# Altium PCB SmartHaloFF.PcbDoc (part 1 of 4) (continued)
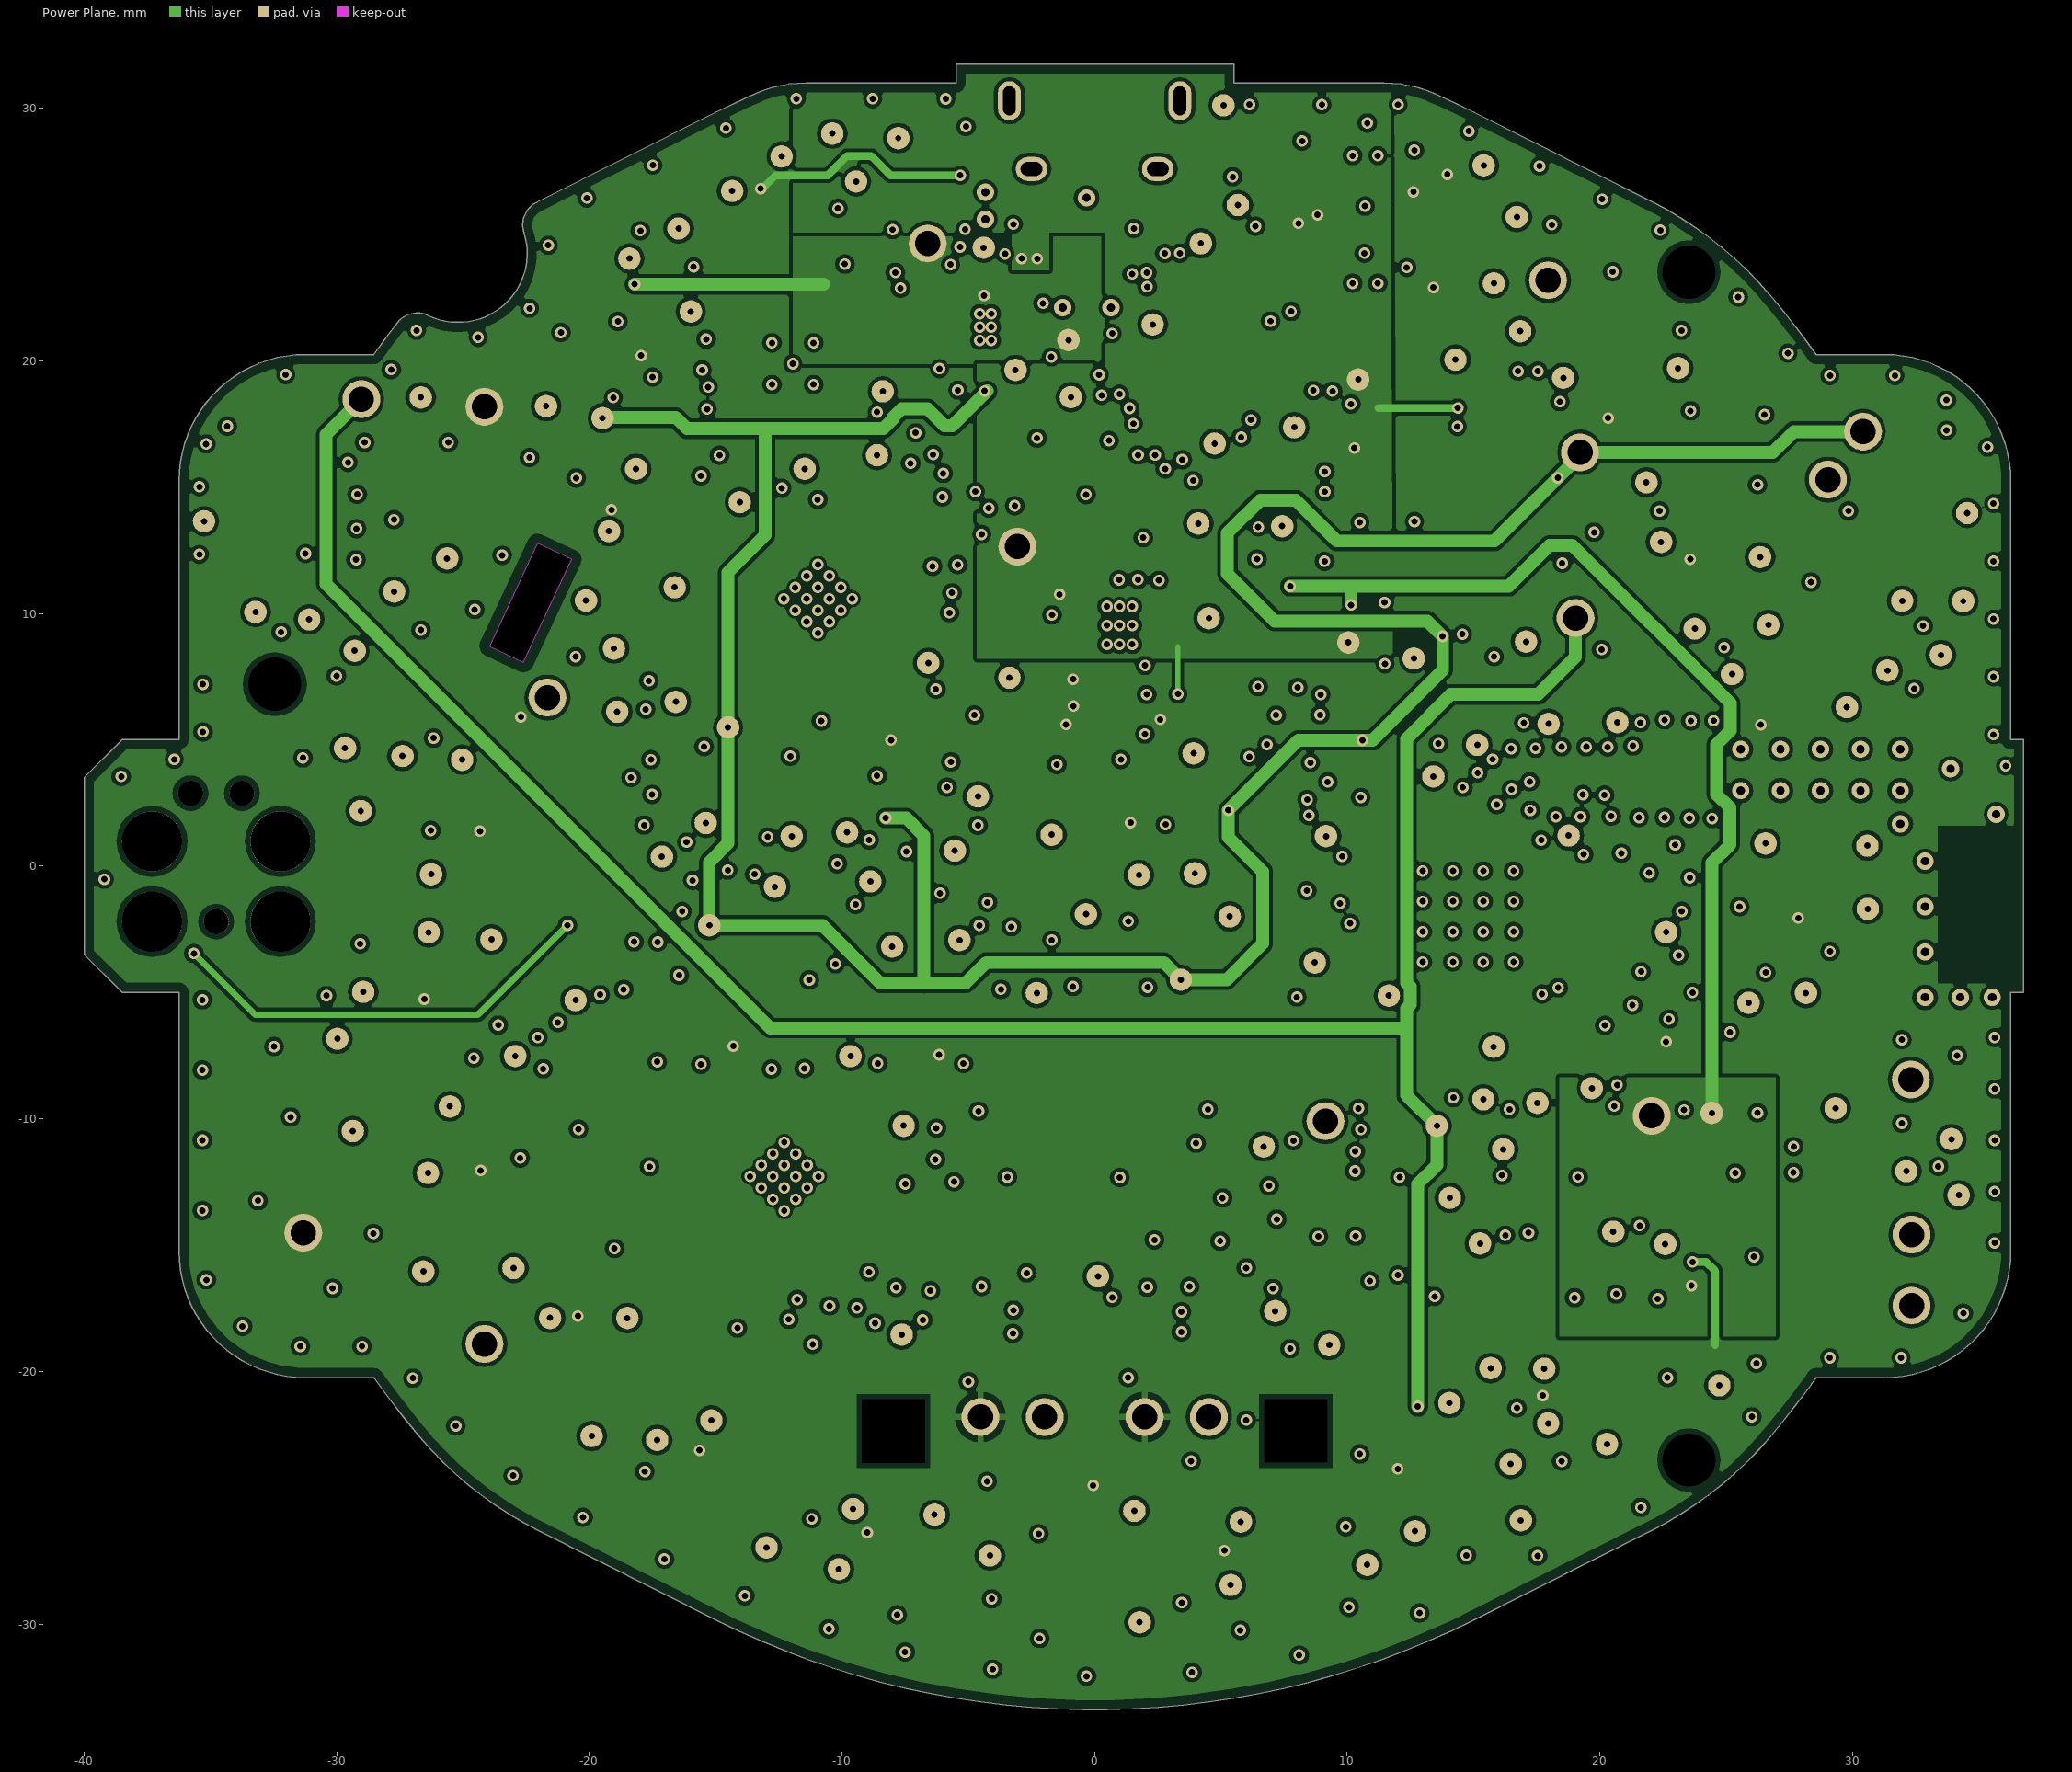
[diagram p3: Power Plane]

## Layer stack, top to bottom
Top Solder: solder mask 0.0254, Solder Resist, Dk 4.8
Top Layer: signal copper 0.0351
Prepreg Top: prepreg 0.173, 2116+1080, Dk 4.8
Ground Plane: signal copper 0.0351
PCB Core: core 1.03, S1000-2, Dk 4.8
Power Plane: signal copper 0.0351
Prepreg Bottom: prepreg 0.173, 2116+1080, Dk 4.8
Bottom Layer: signal copper 0.0351
Bottom Solder: solder mask 0.0254, Solder Resist, Dk 4.8

## Board outline
-38.495,-4.995 -36.236,-4.995 -36.236,-15.245 ccw(c-31.236,-15.245) -31.236,-20.245 -28.534,-20.245 ccw(c0.014,0.005) -26.703,-22.605 ccw(c-15.253,-12.915) -21.99,-26.317 -14.986,-29.837 -14.987,-29.837 ccw(c0.013,0.005) 15.013,-29.837 15.014,-29.837 22.017,-26.317 22.016,-26.317 ccw(c15.28,-12.915) 26.73,-22.605 26.731,-22.605 ccw(c0.014,0.005) 28.199,-20.745 ccw(c0.014,0.005) 28.561,-20.245 31.255,-20.245 31.255,-20.246 ccw(c31.255,-15.237) 36.264,-15.237 36.264,-4.995 36.772,-4.995 36.772,5.005 36.264,5.005 36.264,15.255 36.263,15.255 ccw(c31.263,15.255) 31.263,20.255 28.561,20.255 ccw(c0.014,0.005) 26.731,22.615 26.73,22.615 ccw(c15.28,12.925) 22.016,26.327 22.017,26.327 15.014,29.847 ccw(c0.014,0.005) 13.452,30.583 ccw(c11.44,26.005) 11.44,31.005 5.514,31.005 5.514,31.755 -5.486,31.755 -5.486,31.005 -11.413,31.005 -11.414,31.005 ccw(c-11.414,26.005) -13.425,30.583 -13.424,30.583 ccw(c0.014,0.005) -14.986,29.847 -22.085,26.279 ccw(c-21.636,25.386) -22.589,25.082 -22.59,25.082 cw(c-25.187,24.255) -26.374,21.801 ccw(c-26.809,20.9) -27.598,21.515 -27.597,21.515 ccw(c0.014,0.005) -28.534,20.255 -31.236,20.255 ccw(c-31.236,15.255) -36.236,15.255 -36.236,5.005 -38.494,5.005 -39.994,3.505 -39.994,-3.495
cut-out: -23.96,8.698 -22.6,8.064 -20.698,12.142 -22.058,12.776

## Design rules (kind name [scope] priority, off if disabled: settings)
AcuteAngle [All] p1: minimum=6.00000000000000E+0001 checktracksonly=TRUE
AssemblyTestPointUsage AssemblyTestPointUsage_NoTP [InNet('ANT') Or InNet('RF') Or InNet('NetC20_2')  Or InNet('P0.09/NFC1') Or InNet('P0.10/NFC2') Or InNet('XC_N') Or InNet('XC_P') Or InNet('XL_N') Or InNet('XL_P') Or InNet('USBD_IN_N') Or InNet('USBD_IN_P') Or InNet('USB_D_N') Or InNet('USB_D_P')] p1: valid=1
AssemblyTestPointUsage AssemblyTestPointUsage_Power [InNet('VDD_NRF') Or InNet('VLED') OR InNet('PGND') OR InNet('GND') OR InNet('VBZ') OR InNet('VUSB') Or InNet('VBAT') Or InNet('DGND') Or InNet('AGND') Or InNet('S2V8')] p2: allowmultiple=TRUE
AssemblyTestPointUsage [All] p3:
AssemblyTestpoint AssemblyTestpoint_TP [InComponent('TP*')] p1: testpointundercomponent=TRUE minsize=0.889 maxsize=1.5 preferedsize=0.889 minholesize=0 maxholesize=1 preferedholesize=0.254 testpointgrid=0.025 usegrid=FALSE gridoriginx=71.399 gridoriginy=70.129 gridtolerance=0 allowsidebottom=TRUE minspacing=2.108
AssemblyTestpoint AssemblyTestpoint_ShortComponents [((IsPad And (OnTopLayer Or OnBottomLayer)) Or (IsVia) Or (IsPad And OnMultiLayer)) And (IsComponent And (Height < 150))] p2: testpointundercomponent=TRUE minsize=0.889 maxsize=1.5 preferedsize=0.889 minholesize=0 maxholesize=1 preferedholesize=0.254 testpointgrid=0.025 usegrid=FALSE gridoriginx=71.399 gridoriginy=70.129 gridtolerance=0 allowsidebottom=TRUE minspacing=2.108 compbodyclearance=1.016
AssemblyTestpoint AssemblyTestpoint_TallComponents [(IsPad And (OnTopLayer Or OnBottomLayer)) Or (IsVia) Or (IsPad And OnMultiLayer)] p3: testpointundercomponent=TRUE minsize=0.889 maxsize=1.5 preferedsize=0.889 minholesize=0 maxholesize=1 preferedholesize=0.254 testpointgrid=0.025 usegrid=FALSE gridtolerance=0 allowsidebottom=TRUE minspacing=2.108 compbodyclearance=1.397
BoardOutlineClearance BoardOutlineClearance_Component [IsComponent] p1: gap=1.676
BoardOutlineClearance [All] p2: gap=0.381
Clearance Clearance_Hole_Copper [(HoleDiameter > 0) And (PadIsPlated = 'False')] p1: gap=0.203
Clearance Clearance_QFN-44 [HasFootprint('QFN-44')] p2: gap=0.102
Clearance Clearance_SOT563 [HasFootprint('SOT563')] p3: gap=0.102
Clearance Clearance_DFN10 [HasFootprint('DFN10')] p4: gap=0.102
Clearance [All] p5: gap=0.152
ComponentClearance ComponentClearance_COAXSWITCH [HasFootprint('COAXIAL-SWF') Or InComponent('TP*')] p1: gap=0 collisioncheckmode=3 verticalgap=0 showdistances=FALSE
ComponentClearance [All] p2: gap=0.254 collisioncheckmode=3 verticalgap=0.254 showdistances=FALSE
DiffPairsRouting DiffPairsRouting_USB [InDifferentialPair('USBD_IN') Or InDifferentialPair('USB_D')] p1: maxlimit=0.406 minlimit=0.229 mostfreqgap=0.279 toplayer_minwidth=0.178 toplayer_maxwidth=0.254 toplayer_prefwidth=0.203 midlayer1_minwidth=0.178 midlayer1_maxwidth=0.254 midlayer1_prefwidth=0.203 midlayer2_minwidth=0.178 midlayer2_maxwidth=0.254 midlayer2_prefwidth=0.203 bottomlayer_minwidth=0.178 bottomlayer_maxwidth=0.254 bottomlayer_prefwidth=0.203 maxuncoupledlength=12.7
DiffPairsRouting [Not InDifferentialPair('BZ_OUT')] p2: maxlimit=0.254 minlimit=0.152 mostfreqgap=0.203 toplayer_minwidth=0.152 toplayer_maxwidth=0.254 toplayer_prefwidth=0.203 midlayer1_minwidth=0.152 midlayer1_maxwidth=0.254 midlayer1_prefwidth=0.203 midlayer2_minwidth=0.152 midlayer2_maxwidth=0.254 midlayer2_prefwidth=0.203 bottomlayer_minwidth=0.152 bottomlayer_maxwidth=0.254 bottomlayer_prefwidth=0.203 maxuncoupledlength=12.7
FabricationTestPointUsage FabricationTestPointUsage_NoTP [InNet('ANT') Or InNet('RF') Or InNet('NetC20_2') Or InNet('P0.09/NFC1') Or InNet('P0.10/NFC2') Or InNet('XC_N') Or InNet('XC_P') Or InNet('XL_N') Or InNet('XL_P') Or InNet('USBD_IN_N') Or InNet('USBD_IN_P') Or InNet('USB_D_N') Or InNet('USB_D_P')] p1: valid=1 allowmultiple=FALSE
FabricationTestPointUsage FabricationTestPointUsage_Power [InNet('VDD_NRF') Or InNet('VLED') OR InNet('PGND') OR InNet('GND') OR InNet('VBZ') OR InNet('VUSB') Or InNet('VBAT') Or InNet('DGND') Or InNet('AGND') Or InNet('S2V8')] p2: valid=0 allowmultiple=TRUE
FabricationTestPointUsage [All] p3: valid=0 allowmultiple=FALSE
FabricationTestpoint FabricationTestpoint_TP [InComponent('TP*')] p1: side=2 testpointundercomponent=TRUE minsize=0.889 maxsize=1.5 preferedsize=0.889 minholesize=0 maxholesize=1 preferedholesize=0.254 testpointgrid=0.025 allowsidebottom=TRUE usegrid=FALSE gridtolerance=0 minspacing=2.108
FabricationTestpoint FabricationTestpoint_ShortComponents [((IsPad And (OnTopLayer Or OnBottomLayer)) Or (IsVia) Or (IsPad And OnMultiLayer)) And (IsComponent And (Height < 150))] p2: side=2 testpointundercomponent=TRUE minsize=0.889 maxsize=1.5 preferedsize=0.889 minholesize=0 maxholesize=1 preferedholesize=0.254 testpointgrid=0.025 allowsidebottom=TRUE usegrid=FALSE gridtolerance=0 minspacing=2.108 compbodyclearance=1.016
FabricationTestpoint FabricationTestpoint_TallComponents [(IsPad And (OnTopLayer Or OnBottomLayer)) Or (IsVia) Or (IsPad And OnMultiLayer)] p3: side=2 testpointundercomponent=TRUE minsize=0.889 maxsize=1.5 preferedsize=0.889 minholesize=0 maxholesize=1 preferedholesize=0.254 testpointgrid=0.025 allowsidebottom=TRUE usegrid=FALSE gridoriginx=71.399 gridoriginy=70.129 gridtolerance=0 minspacing=2.108 compbodyclearance=1.397
FanoutControl Fanout_LCC [IsLCC] p1: bgadir=Out bgaviamode=Centered fanoutstyle=Auto fanoutdirection=Alternating viagrid=0.025 // Fanout_LCC (Default Rule)
FanoutControl Fanout_BGA [IsBGA] p2: bgadir=Out bgaviamode=Centered fanoutstyle=Auto fanoutdirection=Alternating viagrid=0.025 // Fanout_BGA (Default Rule)
FanoutControl Fanout_Small [(CompPinCount < 5)] p3: bgadir=Out bgaviamode=Centered fanoutstyle=Auto fanoutdirection=OutThenIn viagrid=0.025 // Fanout_Small (Default Rule)
FanoutControl Fanout_SOIC [IsSOIC] p4: bgadir=Out bgaviamode=Centered fanoutstyle=Auto fanoutdirection=Alternating viagrid=0.025 // Fanout_SOIC (Default Rule)
Height HeightTop [OnTop] p1: minheight=0 maxheight=2.14 prefheight=2
Height HeightBottom [TouchesRoom('BatteryRoom')] p2: minheight=0 maxheight=2 prefheight=1
HoleSize [All] p1: absolutevalues=TRUE maxlimit=2.54 minlimit=0.254 maxpercent=80.000 minpercent=20.000
HoleToHoleClearance [All] p1: gap=0.152 allowstackedmicrovias=TRUE
MinimumAnnularRing [All] p1: minimumring=0.102
MinimumSolderMaskSliver MinimumSolderMaskSliver_QFN_DFN [IsVia And (HasFootprint('DSQ10-1500X900TP') Or HasFootprint('QFN-44')) vs IsVia And (HasFootprint('DSQ10-1500X900TP') Or HasFootprint('QFN-44'))] p1: minsoldermaskwidth=0
MinimumSolderMaskSliver MinimumSolderMaskSliver_QFN_DFN_1 [HasFootprint('QFN40P600X600X90-48N') Or HasFootprint('DSQ10-1500X900TP') Or HasFootprint('DRC10-2400X1650TP') Or HasFootprint('DRV6-1600X1000TP') Or HasFootprint('WDFN8') Or HasFootprint('59453061110ECHLF') Or HasFootprint('DFN10') vs HasFootprint('QFN40P600X600X90-48N') Or HasFootprint('DSQ10-1500X900TP') Or HasFootprint('DRC10-2400X1650TP') Or HasFootprint('DRV6-1600X1000TP') Or HasFootprint('WDFN8') Or HasFootprint('59453061110ECHLF') Or HasFootprint('DFN10')] p2: minsoldermaskwidth=0
MinimumSolderMaskSliver MinimumSolderMaskSliver_QFN_DFN_2 [IsPad And (HasFootprint('QFN-44')) vs IsPad And (HasFootprint('QFN-44'))] p3: minsoldermaskwidth=0
MinimumSolderMaskSliver [All] p4: minsoldermaskwidth=0.102
NetAntennae [Not (IsVia and (InNet('VLED') Or InNet('VBZ') Or InNet('S2V8') Or InNet('VDD_NRF') Or InNet('GND') Or InNet('VBAT') Or InNet('VUSB')))] p1: netantennaetolerance=0
PolygonConnect PolygonConnect_Direct [(IsVia And InNet('GND')) Or (IsVia And InNet('VLED')) Or (InNet('VBAT') Or InNet('VUSB') Or InNet('VDD_NRF') Or InNet('VBZ') Or InNet('S2V8') Or InNet('NetD2_2') Or InNet('NetD1_2')) Or HasFootprint('QFN-44') Or HasFootprint('COAXIAL-SWF') Or InNet('BZ_OUT_P') Or InNet('BZ_OUT_N') Or InNet('NetC62_1') Or InNet('NetC63_1') Or InComponent('NT*') Or InComponent('TP*')] p1: connectstyle=Direct reliefconductorwidth=0.254 reliefentries=4 polygonreliefangle="90 Angle" airgapwidth=0.254
PolygonConnect [All] p2: connectstyle=Relief reliefconductorwidth=0.254 reliefentries=4 polygonreliefangle="90 Angle" airgapwidth=0.254
RoomDefinition BatteryRoom [False] p1: confinementstyle=ConfineOut formatcopy=TRUE lockcomponents=FALSE outline -26.987,-20.757 -26.987,23.739 37.044,23.739 37.044,-20.757
RoomDefinition TopCentralLed [OnTop And Not InComponent('LED14') And Not InComponent('TP*')] p2: confinementstyle=ConfineOut formatcopy=TRUE lockcomponents=FALSE outline -5.5,0 ccw(c0,0) 0,-5.5 ccw(c0,0) 5.5,0 ccw(c0,0) 0,5.5 ccw(c0,0)
RoomDefinition TopComponents [OnTop And Not(InComponent('LED2') Or InComponent('LED3') Or InComponent('LED4') Or InComponent('LED5') Or InComponent('LED6') Or InComponent('LED7') Or InComponent('LED8') Or InComponent('LED9') Or InComponent('LED10') Or InComponent('LED11') Or InComponent('LED12') Or InComponent('LED13') Or InComponent('LED1') Or InComponent('LED15') Or InComponent('LED16') Or InComponent('LED17') Or InComponent('LED18') Or InComponent('LED19') Or InComponent('LED20') Or InComponent('LED21') Or InComponent('LED22') Or InComponent('LED23') Or InComponent('LED24') Or InComponent('LED25') Or InComponent('SB*') Or InComponent('TP*')Or InComponent('ANT1') Or InComponent('C7') Or InComponent('C6') Or InComponent('C5') Or InComponent('C4') Or InComponent('C46') Or InComponent('C43') Or InComponent('C45') Or InComponent('C44') Or InComponent('R1') Or InComponent('U1') Or InComponent('U11') Or InComponent('C1') Or InComponent('C2') Or InComponent('C3') Or InComponent('C11'))] p3: confinementstyle=ConfineIn formatcopy=TRUE lockcomponents=FALSE outline -25.25,0 ccw(c0,0) 0,-25.25 ccw(c0,0) 25.25,0 ccw(c0,0) 0,25.25 ccw(c0,0)
RoutingVias [All] p1: holewidth=0.33 width=0.686 viastyle="Through Hole" minholewidth=0.254 minwidth=0.457 maxholewidth=0.711 maxwidth=1.27
SilkToBoardRegionClearance SilkToBoardRegionClearance_1 [All] p2:
SolderMaskExpansion [All] p1: expansion=0
Width Width_RF [InNet('ANT') Or InNet('RF') Or InNet('NetC17_2')] p1 off: maxlimit=0.508 minlimit=0.265 preferedwidth=0.381 toplayer_maxwidth=0.265 toplayer_prefwidth=0.265 midlayer1_minwidth=0.305 midlayer2_minwidth=0.305 bottomlayer_maxwidth=0.265 bottomlayer_prefwidth=0.265 impedancedriven=TRUE minimp=0.000000 maximp=500.000000 favimp=200.000000
Width Width_Power [InNet('VBAT') Or InNet('VLED') Or InNet('VBZ') Or InNet('VDD_NRF') Or InNet('S2V8') Or InNet('AVDD') Or InNet('GND') Or InNet('AGND') Or InNet('PGND') Or InNet('DGND') Or InNet('VUSB') Or InNet('VBUS') Or InNet('USBGND')] p2: maxlimit=1.27 minlimit=0.203 preferedwidth=0.305
Width [All] p3: maxlimit=0.406 minlimit=0.152 preferedwidth=0.152
15 further rules are at their usual default settings.

## Classes and differential pairs
component class U_8_LEDS: C8 C9 C10 C22 C41 C42 LED1 LED2 LED3 LED4 LED5 LED6 LED7 LED8 LED9 LED10 LED11 LED12 LED13 LED14 LED15 LED16 LED17 LED18 LED19 LED20 LED21 LED22 LED23 LED24 LED25 TP23 TP24 TP25 TP26 TP27 TP28 TP29 TP30 TP31 TP32 TP33 TP34 TP35 TP36 TP37 TP38 TP39 TP40 TP41 TP42 TP43 TP44 TP45 TP46 TP47 TP48 TP49 TP50 TP51 TP52 TP53 TP54 TP55 TP56 TP57 TP58 TP59 TP60 TP61 TP66 TP67 TP68 TP69 TP70 TP71 TP72 TP73 TP74 TP80 TP81 TP82 TP83 TP84 TP85 TP87 TP88 TP89 TP90 TP91 TP92 TP93 TP94 TP95 TP99 TP105 TP106 TP116 TP117 TP118 TP119 TP120 TP121 TP122 TP123 TP124
component class U_5_SENSORS: C1 C2 C3 C4 C5 C6 C7 C43 C44 C45 C46 C? J6 R1 SB1 TP64 TP65 TP75 TP76 TP100 TP101 TP102 TP103 TP104 TP141 U1 U11
component class U_2_PWR: C23 C26 C28 C30 C34 C47 C48 C49 C50 C51 C52 C53 C54 C55 C61 C? D3 J4 L4 L5 R4 R8 R9 R15 R18 R19 R34 R38 RSENSE1 RT1 TP1 TP2 TP3 TP4 TP5 TP6 TP7 TP8 TP9 TP10 TP11 TP12 TP13 TP14 TP15 TP16 TP17 TP18 TP19 TP20 TP21 TP22 TP111 TP166 TP169 TP170 TP171 TP172 TP173 TP174 TP175 TP177 TP179 U5 U7 U12 U13 U14 U15
component class U_3_BLE: ANT1 C11 C13 C14 C16 C17 C18 C19 C20 C21 C24 C25 C27 C31 C32 J1 J7 L1 L2 L3 L6 L7 R6 R10 R13 R16 R17 R20 R28 R29 R30 R31 R35 R39 TP62 TP63 TP77 TP78 TP79 TP115 TP142 TP143 TP144 TP145 TP146 TP147 TP149 TP150 TP158 TP159 TP160 TP161 TP162 TP163 TP164 TP165 TP167 TP168 TP178 U3 X1 X2
component class U_7_ALARM: C29 C33 C35 C38 C39 C40 C62 C63 C71 C? D4 J2 J3 Q3 Q4 Q5 Q6 Q7 Q8 R5 R21 R22 R24 R25 R27 R40 R41 R42 R43 TP125 TP126 TP127 TP128 TP129 TP130 TP131 TP132 TP133 TP134 TP135 TP136 TP137 TP138 TP139 TP140 U8 U9
component class U_4_LEDDRIVERS: C12 C15 C36 C37 D1 D2 Q2 R2 R3 R7 R11 R12 R14 R23 TP96 TP97 TP98 TP107 TP108 TP109 TP110 TP112 TP113 TP156 TP157 U2 U4 U6 U10
component class U_6_MISC: C56 C57 C58 C59 C60 C64 C65 C66 C67 C68 C69 C70 C? J5 NT1 NT6 Q1 R26 R32 R33 R36 R37 TP86 TP114 TP148 TP151 TP152 TP153 TP154 TP155 TP176 U16 U17 U18 U19 U20
differential pair XL: +XL_P -XL_N
differential pair XC: +XC_P -XC_N
differential pair SNS: +SNS_P -SNS_N
differential pair BZR_D: +BZR_D_P -BZR_D_N
differential pair USB_D: +USB_D_P -USB_D_N
differential pair USBD_IN: +USBD_IN_P -USBD_IN_N

## Components (designator, comment, footprint, x,y, rotation, side; value= is the part's Value field where it differs from the comment)
ANT1 "2450AT42E010B" 2450AT42E010B 34.864,-1.516 r90 top
C1 "DNP" Varitron_CAP0402 -34.178,10.706 r90 top
C2 "1.0 uF" Varitron_CAP0603 -32.72,18.471 r180 top
C3 "100 nF" Varitron_CAP0402 -32.682,17.386 r180 top
C4 "6.8 nF" VARITRON_CAP0402 -32.632,13.206 r0 top
C5 "DNP" VARITRON_CAP0402 -32.63,12.177 r0 top
C6 "DNP" VARITRON_CAP0402 -32.621,11.204 r0 top
C7 "DNP" VARITRON_CAP0402 -34.851,8.664 r270 top
C8 "100 nF" Varitron_CAP0402 -24.366,-0.049 r270 top
C9 "100 nF" VARITRON_CAP0402 -23.752,5.559 r255 top
C10 "100 nF" Varitron_CAP0402 -19.802,14.519 r60 top
C11 "1.2 pF" VARITRON_CAP0402 33.457,2.192 r0 top
C12 "100 nF" VARITRON_CAP0402 -8.61,-8.907 r135 top
C13 "100 pF" VARITRON_CAP0402 15.631,6.924 r0 top
C14 "12 pF" VARITRON_CAP0402 13.929,6.302 r270 top
C15 "1.0 uF" VARITRON_CAP0603 -7.444,-7.695 r135 top
C16 "DNP" VARITRON_CAP0402 15.621,5.804 r0 top
C17 "DNP" VARITRON_CAP0402 21.013,3.386 r90 top
C18 "1.0 uF" VARITRON_CAP0603 7.732,-1.13 r90 top
C19 "12 pF" VARITRON_CAP0402 10.086,6.327 r90 top
C20 "0.8 pF" VARITRON_CAP0402 17.899,3.381 r90 top
C21 "100 nF" VARITRON_CAP0402 11.654,2.215 r180 top
C22 "100 nF" Varitron_CAP0402 -1.4,-24.529 r180 top
C23 "4.7 uF" VARITRON_CAP0603 -5.733,23.264 r0 top
C24 "4.7 uF" VARITRON_CAP0805 6.005,-4.77 r180 top
C25 "100 nF" VARITRON_CAP0402 19.065,-5.547 r270 top
C26 "4.7 uF" VARITRON_CAP0603 -3.033,23.271 r180 top
C27 "100 nF" VARITRON_CAP0402 10.003,-5.265 r180 top
C28 "680 pF" VARITRON_CAP0402 5.697,13.696 r270 top
C29 "1.0 uF" VARITRON_CAP0603 12.022,-8.839 r180 bottom
C30 "4.7 uF" VARITRON_CAP0805 9.073,12.083 r90 top
C31 "12 pF" VARITRON_CAP0402 4.973,-8.415 r0 top
C32 "12 pF" VARITRON_CAP0402 4.968,-7.092 r0 top
C33 "100 nF" VARITRON_CAP0402 11.989,-10.079 r180 bottom
C34 "4.7 uF" VARITRON_CAP0805 10.122,17.544 r180 top
C35 "1 nF" VARITRON_CAP0402 8.991,-11.73 r180 bottom
C36 "1.0 uF" VARITRON_CAP0603 -6.312,5.688 r45 top
C37 "100 nF" VARITRON_CAP0402 -7.508,6.901 r45 top
C38 "100 nF" VARITRON_CAP0402 12.056,-16.834 r180 bottom
C39 "1 nF" VARITRON_CAP0402 8.994,-17.526 r180 bottom
C40 "1.0 uF" VARITRON_CAP0603 12.047,-18.034 r180 bottom
C41 "100 nF" Varitron_CAP0402 23.573,-6.538 r75 top
C42 "100 nF" Varitron_CAP0402 10.477,21.613 r180 top
C43 "100 nF" VARITRON_CAP0402 30.851,13.525 r90 top
C44 "10 uF" VARITRON_CAP0805 32.715,15.906 r0 top
C45 "100 nF" VARITRON_CAP0402 32.715,14.237 r0 top
C46 "220 nF" VARITRON_CAP0402 34.623,12.243 r90 top
C47 "10 uF" Varitron_CAP0805 17.165,11.201 r90 bottom
C48 "10 uF" Varitron_CAP0805 11.298,10.465 r90 bottom
C49 "10 uF" VARITRON_CAP0805 17.165,17.45 r90 bottom
C50 "1.0 uF" Varitron_CAP0603 7.884,20.256 r90 bottom
C51 "100 nF" Varitron_CAP0402 6.665,20.282 r90 bottom
C52 "10 uF" VARITRON_CAP0805 11.612,16.963 r90 bottom
C53 "47 uF" Varitron_CAP1206 -0.572,6.81 r0 bottom
C54 "10 uF" VARITRON_CAP0805 -0.053,12.578 r0 bottom
C55 "100 nF" VARITRON_CAP0402 0.424,5.159 r0 bottom
C56 "4.7 uF" VARITRON_CAP0603 -7.214,20.358 r270 bottom
C57 "1.0 uF" VARITRON_CAP0603 -8.562,23.465 r270 bottom
C58 "100 nF" VARITRON_CAP0402 -8.44,20.356 r270 bottom
C59 "100 nF" Varitron_CAP0402 -16.487,18.539 r90 bottom
C60 "4.7 uF" Varitron_CAP0603 -18.235,18.534 r90 bottom
C61 "220 nF" Varitron_CAP0402 4.6,18.047 r180 bottom
C62 "DNP" Varitron_CAP0402 19.045,-15.037 r0 bottom
C63 "DNP" Varitron_CAP0402 19.141,-10.234 r0 bottom
C64 "220 nF" Varitron_CAP0402 -16.358,3.371 r270 bottom
C65 "100 nF" Varitron_CAP0402 -7.862,3.178 r90 bottom
C66 "1.0 uF" Varitron_CAP0603 -6.79,3.259 r90 bottom
C67 "100 nF" Varitron_CAP0402 -12.456,5.057 r0 bottom
C68 "1.0 uF" Varitron_CAP0603 -12.471,6.236 r0 bottom
C69 "100 nF" Varitron_CAP0402 -12.837,-2.377 r90 bottom
C70 "1.0 uF" Varitron_CAP0603 -13.974,-2.167 r90 bottom
C71 "4.7 uF" Varitron_CAP0805 25.433,-11.128 r0 bottom
D1 "C503D-WAN-CDaEa232-0AH" FRONTLED_PADS -3.25,-21.803 r0 top locked
D2 "C503D-WAN-CDaEa232-0AH" FRONTLED_PADS 3.25,-21.803 r0 top locked
D3 "MBR0540T1G" ONSC-SOD-123-2-425-04_V 9.881,9.058 r0 top
D4 "BAS21DW5T1G" SC70-5 9.005,-14.642 r90 bottom
J1 "MM8130-2600" COAXIAL-SWF 23.15,3.886 r90 top
J2 "709296001002006" 709296001002006 27.206,-17.252 r0 bottom locked
J3 "709296001002006" 709296001002006 27.206,-13.741 r0 bottom locked
J4 "BM02(3)B-ADHSS-GAN-ETB" BM02(3)B-ADHSS-GAN-ETB 7.31,25.6 r180 bottom locked
J5 "10118194-0001LF" 10118194-0001LF 0,27.625 r0 bottom locked
J6 "59453-061110ECHLF" 59453061110ECHLF -31.484,14.684 r245 bottom locked
J7 "#NAME?" JLINK_6PIN_NEEDLE_ADAPTER -34.77,0.345 r90 bottom locked
L1 "3.9 nH" VARITRON_IND0402 19.515,3.886 r0 top
L2 "15 nH" VARITRON_IND0402 6.327,-1.379 r90 top
L3 "10 uH" VARITRON_IND0603 7.092,-3.18 r0 top
L4 "10 uH" SRN5020-100M 14.798,13.724 r270 top
L5 "2.2 uH" SRN3015-2R2M -3.305,10.175 r270 bottom
LED1 "LTSN-N213EGBW" LTSN-N213EGBW -28.45,0 r180 top locked
LED2 "LTSN-N213EGBW" LTSN-N213EGBW -27.481,-7.364 r195 top locked
LED3 "LTSN-N213EGBW" LTSN-N213EGBW -27.481,7.363 r165 top locked
LED4 "LTSN-N213EGBW" LTSN-N213EGBW -24.639,-14.225 r210 top locked
LED5 "LTSN-N213EGBW" LTSN-N213EGBW -24.639,14.225 r150 top locked
LED6 "LTSN-N213EGBW" LTSN-N213EGBW -20.118,-20.117 r225 top locked
LED7 "LTSN-N213EGBW" LTSN-N213EGBW -20.118,20.117 r135 top locked
LED8 "LTSN-N213EGBW" LTSN-N213EGBW -14.225,-24.639 r240 top
LED9 "LTSN-N213EGBW" LTSN-N213EGBW -14.225,24.638 r120 top locked
LED10 "LTSN-N213EGBW" LTSN-N213EGBW -7.364,-27.481 r255 top locked
LED11 "LTSN-N213EGBW" LTSN-N213EGBW -7.364,27.48 r105 top locked
LED12 "LTSN-N213EGBW" LTSN-N213EGBW 0,-28.45 r270 top
LED13 "LTSN-N213EGBW" LTSN-N213EGBW 0,28.45 r90 top locked
LED14 "LTSN-N213EGBW" LTSN-N213EGBW 0,0 r180 top locked
LED15 "LTSN-N213EGBW" LTSN-N213EGBW 7.363,-27.481 r285 top
LED16 "LTSN-N213EGBW" LTSN-N213EGBW 7.363,27.48 r75 top locked
LED17 "LTSN-N213EGBW" LTSN-N213EGBW 14.225,-24.639 r300 top locked
LED18 "LTSN-N213EGBW" LTSN-N213EGBW 14.225,24.638 r60 top locked
LED19 "LTSN-N213EGBW" LTSN-N213EGBW 20.117,-20.117 r315 top locked
LED20 "LTSN-N213EGBW" LTSN-N213EGBW 20.117,20.117 r45 top locked
LED21 "LTSN-N213EGBW" LTSN-N213EGBW 24.638,-14.225 r330 top locked
LED22 "LTSN-N213EGBW" LTSN-N213EGBW 24.638,14.225 r30 top locked
LED23 "LTSN-N213EGBW" LTSN-N213EGBW 27.48,-7.364 r345 top locked